# KiCad board cutiepie2040-ortho-hotswap-solder-pcb.kicad_pcb
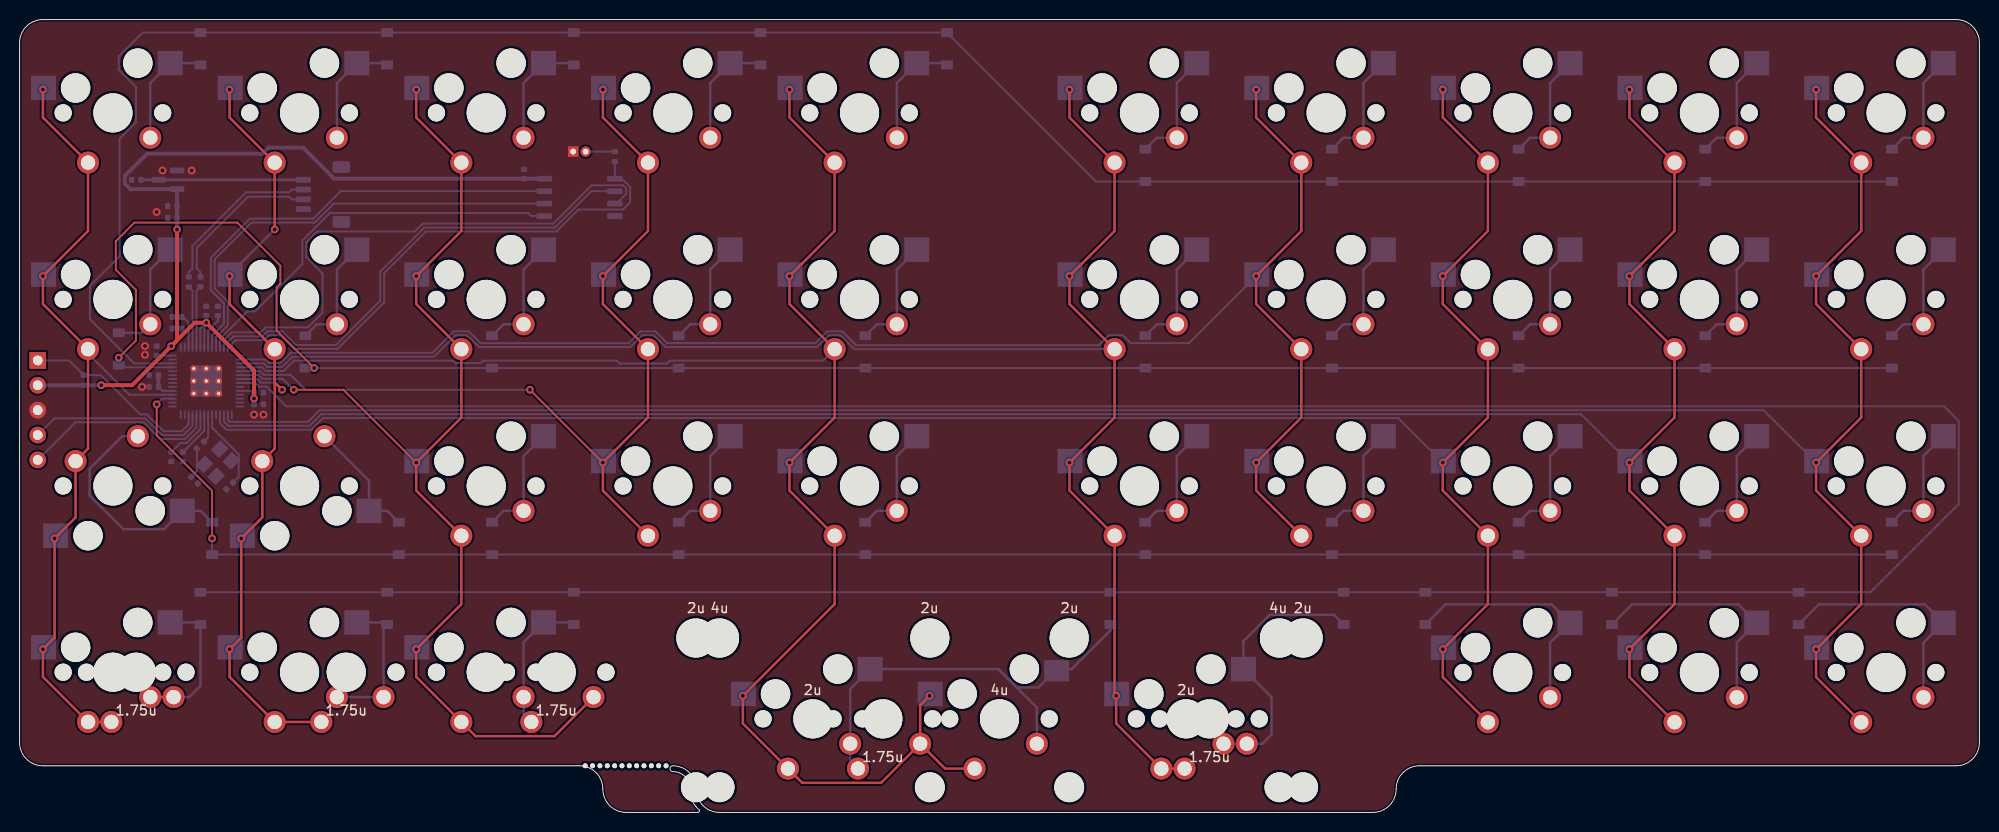
[diagram p0: board, top side]
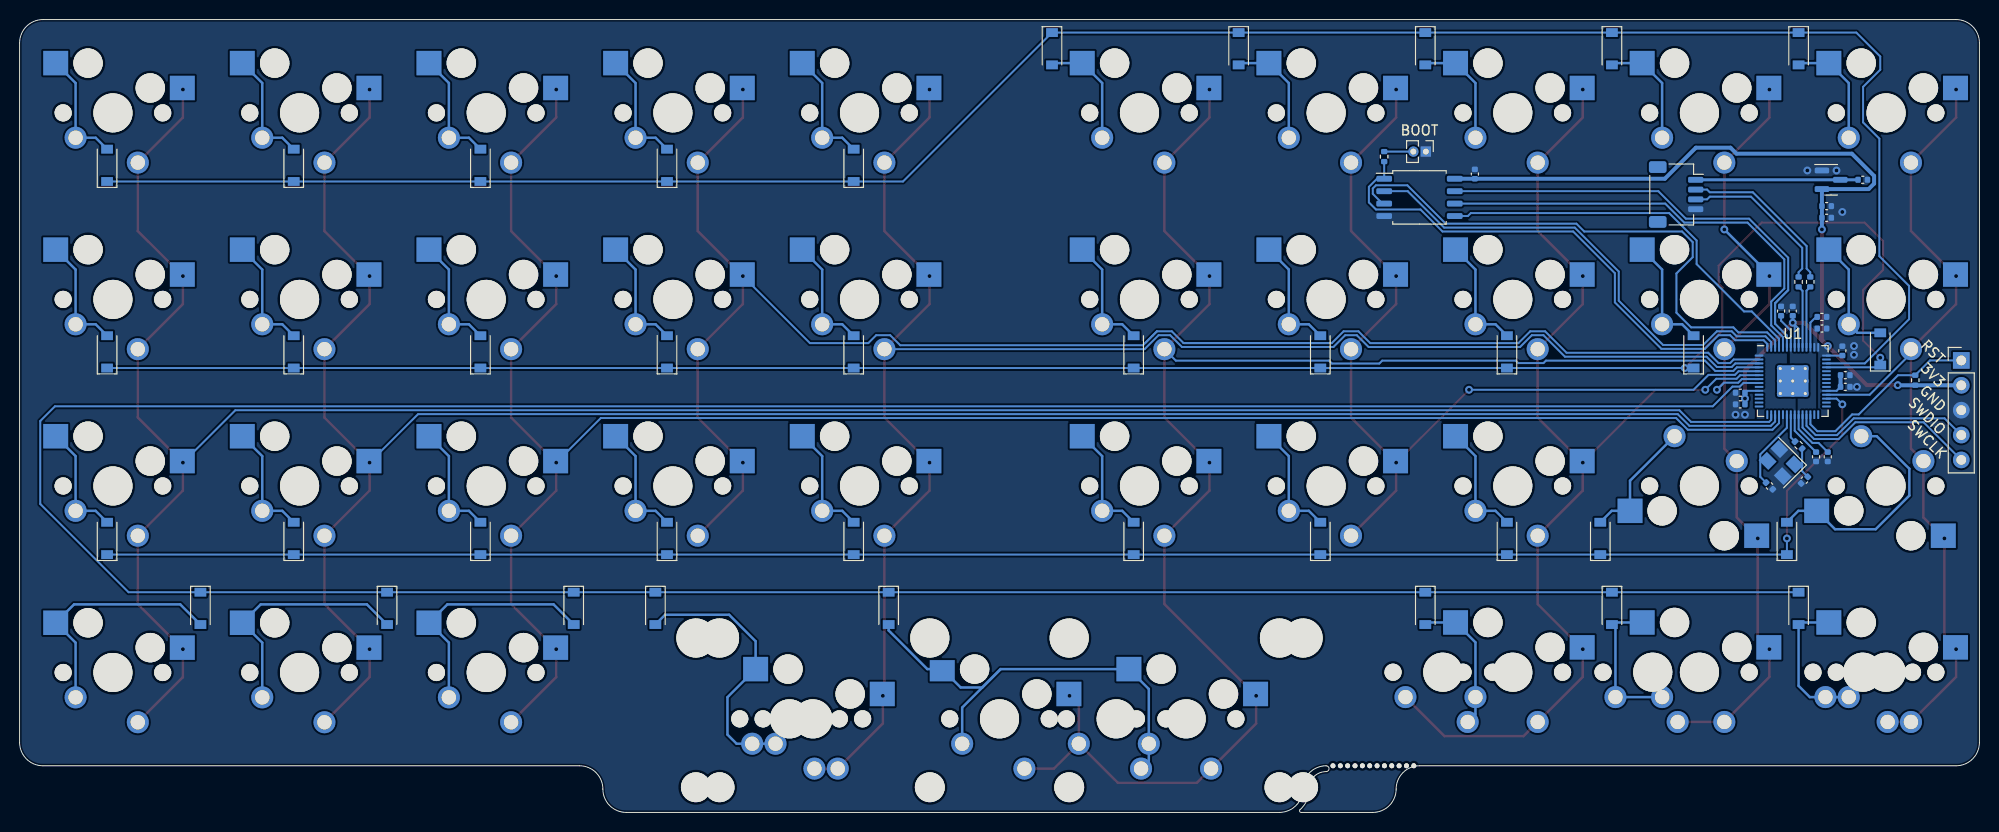
[diagram p1: board, bottom side, seen from below]

Outline 200.03 x 80.96 mm; copper layers: Top, Bottom. Coordinates in mm from the lower left corner of the outline.
Outline path: 57.15,4.76 2.38,4.76 arc(0.7,5.46) 0,7.14 0,78.58 arc(0.7,80.27) 2.38,80.96 197.64,80.96 arc(199.33,80.27) 200.03,78.58 200.03,7.14 arc(199.33,5.46) 197.64,4.76 142.88,4.76 arc(141.19,4.07) 140.49,2.38 arc(139.8,0.7) 138.11,0 71.44,0
Stack: Top 0.035mm / dielectric 1.51mm FR4 er 4.5 / Bottom 0.035mm

## Placement (name value [footprint] x y rotation side)
C_1V-Decoup1  1u  [C_0402_1005Metric]  16.07 50.6 180 bottom
C_1V-Decoup2  .1u  [C_0402_1005Metric]  20.24 51.2 90 bottom
C_1V-Decoup3  .1u  [C_0402_1005Metric]  15.48 36.31 270 bottom
C_3V-Decoup1  10u  [C_0402_1005Metric]  15.59 60.72 180 bottom
C_3V-Decoup2  1u  [C_0402_1005Metric]  16.07 49.41 180 bottom
C_3V-Decoup3  .1u  [C_0402_1005Metric]  13.99 47.13 90 bottom
C_3V-Decoup4  .1u  [C_0402_1005Metric]  13.69 43.46 180 bottom
C_3V-Decoup5  .1u  [C_0402_1005Metric]  13.69 44.65 180 bottom
C_3V-Decoup6  .1u  [C_0402_1005Metric]  24.41 41.67 0 bottom
C_3V-Decoup7  .1u  [C_0402_1005Metric]  19.05 51.2 90 bottom
C_3V-Decoup8  .1u  [C_0402_1005Metric]  16.67 36.31 270 bottom
C_3V-Decoup9  .1u  [C_0402_1005Metric]  24.41 42.86 0 bottom
C_Crystal1  22pF  [C_0402_1005Metric]  21.43 33.34 45 bottom
C_Crystal2  22pF  [C_0402_1005Metric]  17.86 33.93 135 bottom
C_Flash1  .1u  [C_0402_1005Metric]  51.49 65.19 90 bottom
C_LD1  1u  [C_0402_1005Metric]  11.91 64.6 180 bottom
C_LD2  1u  [C_0402_1005Metric]  15.59 61.91 180 bottom
D1  D_Small  [D_SOD-123]  18.45 77.99 270 bottom
D2  D_Small  [D_SOD-123]  10.12 47.33 90 bottom
D3  D_Small  [D_SOD-123]  19.65 27.98 90 bottom
D4  D_Small  [D_SOD-123]  18.45 20.84 270 bottom
D5  D_Small  [D_SOD-123]  37.5 77.99 270 bottom
D6  D_Small  [D_SOD-123]  29.17 47.03 90 bottom
D7  D_Small  [D_SOD-123]  38.7 27.98 90 bottom
D8  D_Small  [D_SOD-123]  37.5 20.84 270 bottom
D9  D_Small  [D_SOD-123]  56.55 77.99 270 bottom
D10  D_Small  [D_SOD-123]  48.22 47.03 90 bottom
D11  D_Small  [D_SOD-123]  48.22 27.98 90 bottom
D12  D_Small  [D_SOD-123]  56.55 20.84 270 bottom
D13  D_Small  [D_SOD-123]  75.6 77.99 270 bottom
D14  D_Small  [D_SOD-123]  67.27 47.03 90 bottom
D15  D_Small  [D_SOD-123]  67.27 27.98 90 bottom
D16  D_Small  [D_SOD-123]  94.65 77.99 270 bottom
D17  D_Small  [D_SOD-123]  86.32 47.03 90 bottom
D18  D_Small  [D_SOD-123]  86.32 27.98 90 bottom
D19  D_Small  [D_SOD-123]  111.32 20.84 270 bottom
D20  D_Small  [D_SOD-123]  114.9 66.08 90 bottom
D21  D_Small  [D_SOD-123]  114.9 47.03 90 bottom
D22  D_Small  [D_SOD-123]  114.9 27.98 90 bottom
D23  D_Small  [D_SOD-123]  135.14 20.84 270 bottom
D24  D_Small  [D_SOD-123]  133.95 66.08 90 bottom
D25  D_Small  [D_SOD-123]  133.95 47.03 90 bottom
D26  D_Small  [D_SOD-123]  133.95 27.98 90 bottom
D27  D_Small  [D_SOD-123]  153 66.08 90 bottom
D28  D_Small  [D_SOD-123]  153 47.03 90 bottom
D29  D_Small  [D_SOD-123]  153 27.98 90 bottom
D30  D_Small  [D_SOD-123]  143.47 20.84 270 bottom
D31  D_Small  [D_SOD-123]  172.05 66.08 90 bottom
D32  D_Small  [D_SOD-123]  172.05 47.03 90 bottom
D33  D_Small  [D_SOD-123]  172.05 27.98 90 bottom
D34  D_Small  [D_SOD-123]  162.52 20.84 270 bottom
D35  D_Small  [D_SOD-123]  191.1 66.08 90 bottom
D36  D_Small  [D_SOD-123]  191.1 47.03 90 bottom
D37  D_Small  [D_SOD-123]  191.1 27.98 90 bottom
D38  D_Small  [D_SOD-123]  181.57 20.84 270 bottom
H1  Cutiepie Tab  [cutiepie-tab]  66.38 4.76 0 top
J1  SM04B  [JST_SH_SM04B-SRSS-TB_1x04-1MP_P1.00mm_Horizontal]  30.96 63.1 270 bottom
J2  SWD  [PinHeader_1x05_P2.54mm_Vertical]  1.85 46.16 180 bottom
MX1  MX-NoLED  [MXOnly-1U-Hotswap-Solder-PadSwapped]  9.53 71.44 180 bottom
MX2  MX-NoLED  [MXOnly-1U-Hotswap-Solder-PadSwapped]  9.53 52.39 180 bottom
MX3  MX-NoLED  [MXOnly-1U-Hotswap-Solder-PadSwapped#2]  9.53 33.34 0 bottom
MX4  MX-NoLED  [MXOnly-1U-Hotswap-Solder-PadSwapped]  9.53 14.32 180 bottom
MX5  MX-NoLED  [MXOnly-1U-Hotswap-Solder-PadSwapped]  28.58 71.44 180 bottom
MX6  MX-NoLED  [MXOnly-1U-Hotswap-Solder-PadSwapped]  28.58 52.39 180 bottom
MX7  MX-NoLED  [MXOnly-1U-Hotswap-Solder-PadSwapped#2]  28.58 33.34 0 bottom
MX8  MX-NoLED  [MXOnly-1U-Hotswap-Solder-PadSwapped]  28.58 14.32 180 bottom
MX9  MX-NoLED  [MXOnly-1U-Hotswap-Solder-PadSwapped]  47.63 71.44 180 bottom
MX10  MX-NoLED  [MXOnly-1U-Hotswap-Solder-PadSwapped]  47.63 52.39 180 bottom
MX11  MX-NoLED  [MXOnly-1U-Hotswap-Solder-PadSwapped]  47.63 33.34 180 bottom
MX12  MX-NoLED  [MXOnly-1U-Hotswap-Solder-PadSwapped]  47.63 14.32 180 bottom
MX13  MX-NoLED  [MXOnly-1U-Hotswap-Solder-PadSwapped]  66.68 71.44 180 bottom
MX14  MX-NoLED  [MXOnly-1U-Hotswap-Solder-PadSwapped]  66.68 52.39 180 bottom
MX15  MX-NoLED  [MXOnly-1U-Hotswap-Solder-PadSwapped]  66.68 33.34 180 bottom
MX16  MX-NoLED  [MXOnly-1U-Hotswap-Solder-PadSwapped]  85.73 71.44 180 bottom
MX17  MX-NoLED  [MXOnly-1U-Hotswap-Solder-PadSwapped]  85.73 52.39 180 bottom
MX18  MX-NoLED  [MXOnly-1U-Hotswap-Solder-PadSwapped]  85.73 33.34 180 bottom
MX19  MX-NoLED  [MXOnly-2U-Hotswap-Solder-ReversedStabilizers-PadSwapped]  80.96 9.55 180 bottom
MX20  MX-NoLED  [MXOnly-1U-Hotswap-Solder-PadSwapped]  114.3 71.44 180 bottom
MX21  MX-NoLED  [MXOnly-1U-Hotswap-Solder-PadSwapped]  114.3 52.39 180 bottom
MX22  MX-NoLED  [MXOnly-1U-Hotswap-Solder-PadSwapped]  114.3 33.34 180 bottom
MX23  MX-NoLED  [MXOnly-2U-Hotswap-Solder-ReversedStabilizers-PadSwapped]  119.06 9.55 180 bottom
MX24  MX-NoLED  [MXOnly-1U-Hotswap-Solder-PadSwapped]  133.35 71.44 180 bottom
MX25  MX-NoLED  [MXOnly-1U-Hotswap-Solder-PadSwapped]  133.35 52.39 180 bottom
MX26  MX-NoLED  [MXOnly-1U-Hotswap-Solder-PadSwapped]  133.35 33.34 180 bottom
MX27  MX-NoLED  [MXOnly-1U-Hotswap-Solder-PadSwapped]  152.4 71.44 180 bottom
MX28  MX-NoLED  [MXOnly-1U-Hotswap-Solder-PadSwapped]  152.4 52.39 180 bottom
MX29  MX-NoLED  [MXOnly-1U-Hotswap-Solder-PadSwapped]  152.4 33.34 180 bottom
MX30  MX-NoLED  [MXOnly-1U-Hotswap-Solder-PadSwapped]  152.4 14.29 180 bottom
MX31  MX-NoLED  [MXOnly-1U-Hotswap-Solder-PadSwapped]  171.45 71.44 180 bottom
MX32  MX-NoLED  [MXOnly-1U-Hotswap-Solder-PadSwapped]  171.45 52.39 180 bottom
MX33  MX-NoLED  [MXOnly-1U-Hotswap-Solder-PadSwapped]  171.45 33.34 180 bottom
MX34  MX-NoLED  [MXOnly-1U-Hotswap-Solder-PadSwapped]  171.45 14.29 180 bottom
MX35  MX-NoLED  [MXOnly-1U-Hotswap-Solder-PadSwapped]  190.5 71.44 180 bottom
MX36  MX-NoLED  [MXOnly-1U-Hotswap-Solder-PadSwapped]  190.5 52.39 180 bottom
MX37  MX-NoLED  [MXOnly-1U-Hotswap-Solder-PadSwapped]  190.5 33.34 180 bottom
MX38  MX-NoLED  [MXOnly-1U-Hotswap-Solder-PadSwapped]  190.5 14.29 180 bottom
MX39  MX-NoLED  [MXOnly-1.25U-NoLED#2]  11.91 14.32 180 top
MX40  MX-NoLED  [MXOnly-1U-NoLED]  33.34 14.32 180 top
MX41  MX-NoLED  [MXOnly-1.25U-NoLED]  54.77 14.32 180 top
MX43  MX-NoLED  [MXOnly-1.75U-NoLED]  88.11 9.55 180 top
MX44  MX-NoLED  [MXOnly-4U-Hotswap-Solder-ReversedStabilizers-PadSwapped]  100.01 9.55 180 bottom
MX46  MX-NoLED  [MXOnly-1.75U-NoLED#2]  121.44 9.55 180 top
R_Crystal1  1k  [R_0402_1005Metric]  18.45 37.5 45 bottom
R_DATA1  27  [R_0402_1005Metric]  18.45 54.17 270 bottom
R_DATA2  27  [R_0402_1005Metric]  17.26 54.17 270 bottom
R_Flash1  1k  [R_0402_1005Metric]  60.75 66.97 270 bottom
R_RST1  1k  [R_0402_1005Metric]  6.55 44.14 90 bottom
SW1  Reset  [PinHeader_1x02_P1.27mm_Vertical]  56.5 67.48 270 bottom
U1  RP2040  [RP2040-QFN-56]  19.05 44.05 180 bottom
U2  W25Q128JVS  [SOIC-8_5.23x5.23mm_P1.27mm]  57.15 62.81 180 bottom
U3  XC6206PxxxMR  [SOT-23]  15.14 64.6 180 bottom
Y1  12MHz  [Crystal_SMD_3225-4Pin_3.2x2.5mm]  20.24 35.72 45 bottom

## Library data of the parts
C_1V-Decoup1-C_1V-Decoup3 C_3V-Decoup1-C_3V-Decoup9 C_Crystal1 C_Crystal2 C_Flash1 C_LD1 C_LD2 = -: Description: Unpolarized capacitor, small symbol
D1-D38 = -: Description: Diode, small symbol
H1 = -: Description: Mounting Hole without connection
J1 = -: Description: Generic connector, single row, 01x04, script generated (kicad-library-utils/schlib/autogen/connector/)
J2 = -: Description: Generic connector, single row, 01x05, script generated (kicad-library-utils/schlib/autogen/connector/)
R_Crystal1 R_DATA1 R_DATA2 R_Flash1 R_RST1 = -: Description: Resistor, small symbol
SW1 = -: Description: Push button switch, generic, two pins
U1 = -: Description: A microcontroller by Raspberry Pi
U2 = -: Description: 128Mb Serial Flash Memory, Standard/Dual/Quad SPI, SOIC-8
U3 = -: Description: Positive 60-250mA Low Dropout Regulator, Fixed Output, SOT-23
Y1 = -: Description: Four pin crystal, GND on pins 2 and 4, small symbol

## Footprints (pads in the part's own frame, mm; a bottom-side part is the same pattern mirrored in y, then rotated)
C_0402_1005Metric
  rrect 0.56x0.62 smd: 1(-0.48,0) 2(0.48,0)
Crystal_SMD_3225-4Pin_3.2x2.5mm
  rect 1.4x1.2 smd: 1(-1.1,-0.85) 2(1.1,-0.85) 3(1.1,0.85) 4(-1.1,0.85)
cutiepie-tab
  round 0.5 hole 0.5 unplated: (-8.65,0) (-7.9,0) (-7.15,0) (-6.4,0) (-5.65,0) (-4.9,0) (-4.15,0) (-3.4,0) (-2.65,0) (-1.9,0) (-1.15,0) (-0.4,0)
D_SOD-123
  rect 0.9x1.2 smd: 1(-1.65,0) 2(1.65,0)
JST_SH_SM04B-SRSS-TB_1x04-1MP_P1.00mm_Horizontal
  rrect 0.6x1.55 smd: 1(-1.5,2) 2(-0.5,2) 3(0.5,2) 4(1.5,2)
  rrect 1.2x1.8 smd: MP(-2.8,-1.875) MP(2.8,-1.875)
MXOnly-1.25U-NoLED
  round 1.75 hole 1.75 unplated: (-5.08,0) (5.08,0)
  round 3.988 hole 3.988 unplated: (0,0)
  round 2.25 hole 1.47: 1(-3.81,2.54) 2(2.54,5.08)
MXOnly-1.25U-NoLED#2
  round 1.75 hole 1.75 unplated: (-5.08,0) (5.08,0)
  round 3.988 hole 3.988 unplated: (0,0)
  round 2.25 hole 1.47: 1(2.54,5.08) 2(-3.81,2.54)
MXOnly-1.75U-NoLED
  round 1.75 hole 1.75 unplated: (-5.08,0) (5.08,0)
  round 3.988 hole 3.988 unplated: (0,0)
  round 2.25 hole 1.47: 1(-3.81,2.54) 2(2.54,5.08)
MXOnly-1.75U-NoLED#2
  round 1.75 hole 1.75 unplated: (-5.08,0) (5.08,0)
  round 3.988 hole 3.988 unplated: (0,0)
  round 2.25 hole 1.47: 1(2.54,5.08) 2(-3.81,2.54)
MXOnly-1U-Hotswap-Solder-PadSwapped
  round 1.75 hole 1.75 unplated: (-5.08,0) (5.08,0)
  round 3 hole 3 unplated: (-2.54,5.08) (3.81,2.54)
  round 3.988 hole 3.988 unplated: (0,0)
  round 2.25 hole 1.47: 1(2.54,-5.08) 2(-3.81,-2.54)
  rect 2.55x2.5 smd: 1(7.085,2.54) 2(-5.842,5.08)
MXOnly-1U-Hotswap-Solder-PadSwapped#2
  round 1.75 hole 1.75 unplated: (-5.08,0) (5.08,0)
  round 3 hole 3 unplated: (-2.54,5.08) (3.81,2.54)
  round 3.988 hole 3.988 unplated: (0,0)
  rect 2.55x2.5 smd: 1(-5.842,5.08) 2(7.085,2.54)
  round 2.25 hole 1.47: 1(-3.81,-2.54) 2(2.54,-5.08)
MXOnly-1U-NoLED
  round 1.75 hole 1.75 unplated: (-5.08,0) (5.08,0)
  round 3.988 hole 3.988 unplated: (0,0)
  round 2.25 hole 1.47: 1(2.54,5.08) 2(-3.81,2.54)
MXOnly-2U-Hotswap-Solder-ReversedStabilizers-PadSwapped
  round 3.048 hole 3.048 unplated: (-11.938,-6.985) (11.938,-6.985)
  round 3.988 hole 3.988 unplated: (-11.938,8.255) (0,0) (11.938,8.255)
  round 1.75 hole 1.75 unplated: (-5.08,0) (5.08,0)
  round 3 hole 3 unplated: (-2.54,5.08) (3.81,2.54)
  round 2.25 hole 1.47: 1(2.54,-5.08) 2(-3.81,-2.54)
  rect 2.55x2.5 smd: 1(7.085,2.54) 2(-5.842,5.08)
MXOnly-4U-Hotswap-Solder-ReversedStabilizers-PadSwapped
  round 3.048 hole 3.048 unplated: (-28.575,-6.985) (28.575,-6.985)
  round 3.988 hole 3.988 unplated: (-28.575,8.255) (0,0) (28.575,8.255)
  round 1.75 hole 1.75 unplated: (-5.08,0) (5.08,0)
  round 3 hole 3 unplated: (-2.54,5.08) (3.81,2.54)
  round 2.25 hole 1.47: 1(2.54,-5.08) 2(-3.81,-2.54)
  rect 2.55x2.5 smd: 1(7.085,2.54)
  rect 2.55x2.17 smd: 2(-5.842,4.915)
PinHeader_1x02_P1.27mm_Vertical
  rect 1.05x1.05 hole 0.6: 1(0,0)
  round 1.05 hole 0.6: 2(0,-1.27)
PinHeader_1x05_P2.54mm_Vertical
  rect 1.7x1.7 hole 1: 1(0,0)
  oval 1.7x1.7 hole 1: 2(0,-2.54) 3(0,-5.08) 4(0,-7.62) 5(0,-10.16)
R_0402_1005Metric
  rrect 0.54x0.64 smd: 1(-0.51,0) 2(0.51,0)
RP2040-QFN-56
  rrect 1.084x1.084 smd: (-0.637,-0.637) (-0.637,0.637) (0.637,-0.637) (0.637,0.637)
  rrect 0.875x0.2 smd: 1(-3.438,2.6) 2(-3.438,2.2) 3(-3.438,1.8) 4(-3.438,1.4) 5(-3.438,1) 6(-3.438,0.6) 7(-3.438,0.2) 8(-3.438,-0.2) 9(-3.438,-0.6) 10(-3.438,-1) 11(-3.438,-1.4) 12(-3.438,-1.8) 13(-3.438,-2.2) 14(-3.438,-2.6) 29(3.438,-2.6) 30(3.438,-2.2) 31(3.438,-1.8) 32(3.438,-1.4) 33(3.438,-1) 34(3.438,-0.6) 35(3.438,-0.2) 36(3.438,0.2) 37(3.438,0.6) 38(3.438,1) 39(3.438,1.4) 40(3.438,1.8) 41(3.438,2.2) 42(3.438,2.6)
  rrect 0.2x0.875 smd: 15(-2.6,-3.438) 16(-2.2,-3.438) 17(-1.8,-3.438) 18(-1.4,-3.438) 19(-1,-3.438) 20(-0.6,-3.438) 21(-0.2,-3.438) 22(0.2,-3.438) 23(0.6,-3.438) 24(1,-3.438) 25(1.4,-3.438) 26(1.8,-3.438) 27(2.2,-3.438) 28(2.6,-3.438) 43(2.6,3.438) 44(2.2,3.438) 45(1.8,3.438) 46(1.4,3.438) 47(1,3.438) 48(0.6,3.438) 49(0.2,3.438) 50(-0.2,3.438) 51(-0.6,3.438) 52(-1,3.438) 53(-1.4,3.438) 54(-1.8,3.438) 55(-2.2,3.438) 56(-2.6,3.438)
  round 0.7 hole 0.3: 57(-1.275,-1.275) 57(-1.275,0) 57(-1.275,1.275) 57(0,-1.275) 57(0,0) 57(0,1.275) 57(1.275,-1.275) 57(1.275,0) 57(1.275,1.275)
  rrect 3.2x3.2 smd: 57(0,0)
SOIC-8_5.23x5.23mm_P1.27mm
  rrect 1.6x0.6 smd: 1(-3.6,1.905) 2(-3.6,0.635) 3(-3.6,-0.635) 4(-3.6,-1.905) 5(3.6,-1.905) 6(3.6,-0.635) 7(3.6,0.635) 8(3.6,1.905)
SOT-23
  rrect 1.475x0.6 smd: 1(-0.938,0.95) 2(-0.938,-0.95) 3(0.938,0)

## Nets
+1V1: C_1V-Decoup1.1 C_1V-Decoup2.1 C_1V-Decoup3.1 U1.23 U1.45 U1.50
+3V3: C_3V-Decoup1.1 C_3V-Decoup2.1 C_3V-Decoup3.1 C_3V-Decoup4.1 C_3V-Decoup5.1 C_3V-Decoup6.1 C_3V-Decoup7.1 C_3V-Decoup8.1 C_3V-Decoup9.1 C_Flash1.1 C_LD2.1 J2.2 R_RST1.1 U1.1 U1.10 U1.22 U1.33 U1.42 U1.43 U1.44 U1.48 U1.49 U2.8 U3.2
+5V: C_LD1.1 J1.1 U3.3
GND: C_1V-Decoup1.2 C_1V-Decoup2.2 C_1V-Decoup3.2 C_3V-Decoup1.2 C_3V-Decoup2.2 C_3V-Decoup3.2 C_3V-Decoup4.2 C_3V-Decoup5.2 C_3V-Decoup6.2 C_3V-Decoup7.2 C_3V-Decoup8.2 C_3V-Decoup9.2 C_Crystal1.1 C_Crystal2.1 C_Flash1.2 C_LD1.2 C_LD2.2 J1.4 J2.3 SW1.1 U1.19 U1.57 U2.4 U3.1 Y1.2 Y1.4
col0: MX1.1 MX2.1 MX3.1 MX4.1 MX39.1 U1.32
col1: MX5.1 MX6.1 MX7.1 MX8.1 MX40.1 U1.7
col2: MX9.1 MX10.1 MX11.1 MX12.1 MX41.1 U1.6
col3: MX13.1 MX14.1 MX15.1 U1.5
col4: MX16.1 MX17.1 MX18.1 MX19.1 MX43.1 MX44.1 U1.4
col5: MX20.1 MX21.1 MX22.1 MX23.1 MX46.1 U1.3
col6: MX24.1 MX25.1 MX26.1 U1.2
col7: MX27.1 MX28.1 MX29.1 MX30.1 U1.18
col8: MX31.1 MX32.1 MX33.1 MX34.1 U1.17
col9: MX35.1 MX36.1 MX37.1 MX38.1 U1.16
CS: R_Flash1.2 U1.56 U2.1
D+: J1.3 R_DATA1.1
D-: J1.2 R_DATA2.1
QSPI_CLK: U1.52 U2.6
RESET: J2.1 R_RST1.2 U1.26
row0: D1.1 D5.1 D9.1 D13.1 D16.1 D20.1 D24.1 D27.1 D31.1 D35.1 U1.40
row1: D2.1 D6.1 D10.1 D14.1 D17.1 D21.1 D25.1 D28.1 D32.1 D36.1 U1.39
row2: D3.1 D7.1 D11.1 D15.1 D18.1 D22.1 D26.1 D29.1 D33.1 D37.1 U1.31
row3: D4.1 D8.1 D12.1 D19.1 D23.1 D30.1 D34.1 D38.1 U1.8
SD0: U1.53 U2.5
SD1: U1.55 U2.2
SD2: U1.54 U2.3
SD3: U1.51 U2.7
SWCLK: J2.5 U1.24
SWDIO: J2.4 U1.25
XTAL_IN: C_Crystal1.2 U1.20 Y1.3
XTAL_OUT: R_Crystal1.2 U1.21
Net-(C_Crystal2-Pad2): C_Crystal2.2 R_Crystal1.1 Y1.1
Net-(D1-A): D1.2 MX1.2
Net-(D2-A): D2.2 MX2.2
Net-(D3-A): D3.2 MX3.2
Net-(D4-A): D4.2 MX4.2 MX39.2
Net-(D5-A): D5.2 MX5.2
Net-(D6-A): D6.2 MX6.2
Net-(D7-A): D7.2 MX7.2
Net-(D8-A): D8.2 MX8.2 MX40.2
Net-(D9-A): D9.2 MX9.2
Net-(D10-A): D10.2 MX10.2
Net-(D11-A): D11.2 MX11.2
Net-(D12-A): D12.2 MX12.2 MX41.2
Net-(D13-A): D13.2 MX13.2
Net-(D14-A): D14.2 MX14.2
Net-(D15-A): D15.2 MX15.2
Net-(D16-A): D16.2 MX16.2
Net-(D17-A): D17.2 MX17.2
Net-(D18-A): D18.2 MX18.2
Net-(D19-A): D19.2 MX19.2 MX43.2 MX44.2
Net-(D20-A): D20.2 MX20.2
Net-(D21-A): D21.2 MX21.2
Net-(D22-A): D22.2 MX22.2
Net-(D23-A): D23.2 MX23.2 MX46.2
Net-(D24-A): D24.2 MX24.2
Net-(D25-A): D25.2 MX25.2
Net-(D26-A): D26.2 MX26.2
Net-(D27-A): D27.2 MX27.2
Net-(D28-A): D28.2 MX28.2
Net-(D29-A): D29.2 MX29.2
Net-(D30-A): D30.2 MX30.2
Net-(D31-A): D31.2 MX31.2
Net-(D32-A): D32.2 MX32.2
Net-(D33-A): D33.2 MX33.2
Net-(D34-A): D34.2 MX34.2
Net-(D35-A): D35.2 MX35.2
Net-(D36-A): D36.2 MX36.2
Net-(D37-A): D37.2 MX37.2
Net-(D38-A): D38.2 MX38.2
Net-(R_Flash1-Pad1): R_Flash1.1 SW1.2
Net-(U1-USB_DM): R_DATA2.2 U1.46
Net-(U1-USB_DP): R_DATA1.2 U1.47

Pads without a net: J1 MP; U1 9 11 12 13 14 15 27 28 29 30 34 35 36 37 38 41

## Via types
v1: diameter 0.8, hole 0.4, Top to Bottom, 60 vias

## Routing (per net, layer and track width the routed paths; a pad name or vN(x,y) marks a point on that pad's centre or on a via; arc(x,y) is an arc through that point)
+1V1: length 12.4
  Bottom w0.2: 16.67,50.6 17.25,50.02 U1.45 ; U1.23 18.45,39.14 17.04,37.73 16.41,37.73 C_1V-Decoup3.1 ; C_1V-Decoup2.1 20.24,50.21 19.25,49.22 U1.50
+3V3: length 115.5
  Top w0.4: v1(15.48,47.63) 16.07,48.22 v1(16.07,59.53) ; v1(15.48,47.63) 11.48,43.63 v1(8.33,43.63) ; v1(15.48,47.63) 17.86,50.01 v1(19.05,50.01) 23.93,45.13 v1(23.93,42.27)
  Bottom w0.2: U1.49 18.85,49.81 v1(19.05,50.01) ; U1.48 18.45,49.41 v1(19.05,50.01) ; C_3V-Decoup8.1 18.85,38.98 U1.22 ; v1(19.05,50.01) C_3V-Decoup7.1 ; C_3V-Decoup9.1 23.74,43.05 U1.10 ; C_3V-Decoup4.1 14.58,43.05 U1.33 ; U1.42 C_3V-Decoup3.1
  Bottom w0.4: v1(16.07,59.53) U3.2 11.3,63.65 10.75,64.21 10.75,65 13.02,67.27 24.79,67.27 25.4,67.88 28.93,67.88 32.1,64.71 U2.8 ; J2.2 8.32,43.62 v1(8.33,43.63) ; C_3V-Decoup5.1 C_3V-Decoup4.1 ; C_3V-Decoup9.1 C_3V-Decoup6.1
+5V: length 16.6
  Bottom w0.3: C_LD1.1 U3.3 J1.1
GND:
  vias: v1(12.5,43.46) v1(12.8,47.63) v1(12.8,46.73) v1(13.99,61.32) v1(14.59,65.55) v1(17.56,65.55) v1(23.93,40.62) v1(24.89,40.62)
col0: length 86.9
  Top w0.25: MX39.1 MX4.1 2.38,13.84 v1(2.38,16.67) 3.57,17.86 v1(3.57,27.98) 5.72,30.12 MX3.1 6.99,37.15 MX2.1 2.38,51.91 v1(2.38,54.77) 6.99,59.37 MX1.1 2.38,70.96 v1(2.38,73.82)
  Bottom w0.2: U1.32 11.2,42.65 6.99,46.87
col1: length 87.9
  Top w0.25: MX6.1 26.04,43.91 v1(26.79,43.16) ; MX6.1 26.04,37.15 MX7.1 24.77,30.12 v1(22.62,27.98) 22.62,17.86 v1(21.43,16.67) 21.43,13.84 MX8.1 MX40.1 ; MX6.1 21.43,51.91 v1(21.43,54.77) ; v1(26.04,59.53) MX5.1 21.43,70.96 v1(21.43,73.82)
  Bottom w0.2: v1(26.79,43.16) 26.07,43.88 24.62,43.88 24.25,44.25 U1.7
  Bottom w0.25: v1(26.04,59.53) 21.43,54.93
col2: length 115.4
  Top w0.2: v1(40.48,35.72) 33.04,43.16 v1(27.98,43.16)
  Top w0.25: MX41.1 54.59,7.79 46.54,7.79 MX12.1 40.48,13.84 v1(40.48,16.67) 45.09,21.27 MX11.1 40.48,32.86 v1(40.48,35.72) 45.09,40.32 MX10.1 40.48,51.91 v1(40.48,54.77) 45.09,59.37 MX9.1 40.48,70.96 v1(40.48,73.82)
  Bottom w0.2: v1(27.98,43.16) 26.86,44.28 24.78,44.28 24.41,44.65 U1.6
col3: length 96
  Top w0.2: v1(59.53,35.72) v1(52.09,43.16)
  Top w0.25: MX15.1 59.53,32.86 v1(59.53,35.72) 64.14,40.32 MX14.1 59.53,51.91 v1(59.53,54.77) 64.14,59.37 MX13.1 59.53,70.96 v1(59.53,73.82)
  Bottom w0.2: U1.5 24.58,45.05 24.95,44.68 27.65,44.68 29.17,43.16 v1(52.09,43.16)
col4: length 174.5
  Top w0.25: v1(92.87,11.91) 91.92,10.95 MX43.1 ; MX43.1 87.93,3.02 79.87,3.02 MX19.1 73.82,9.08 v1(73.82,11.91) 83.19,21.27 MX18.1 78.58,32.86 v1(78.58,35.72) 83.19,40.32 MX17.1 78.58,51.91 v1(78.58,54.77) 83.19,59.37 MX16.1 78.58,70.96 v1(78.58,73.82) ; MX43.1 94.46,4.47 MX44.1
  Bottom w0.2: MX17.1 82.01,46.14 66.38,46.14 66.08,45.84 61.25,45.84 60.95,46.14 47.33,46.14 47.07,45.88 44.49,45.88 44.24,46.14 28.01,46.14 26.96,45.08 25.11,45.08 24.74,45.45 U1.4
col5: length 176.6
  Top w0.25: MX46.1 MX23.1 111.92,9.08 v1(111.92,11.91) 111.76,12.07 MX22.1 107.16,32.86 v1(107.16,35.72) 111.76,40.32 MX21.1 107.16,51.91 v1(107.16,54.77) 111.76,59.37 MX20.1 107.16,70.96 v1(107.16,73.82)
  Bottom w0.2: MX21.1 85.2,47.31 83.78,48.73 82.59,48.73 81.39,47.53 65.93,47.53 64.73,48.73 63.54,48.73 62.33,47.52 46.89,47.52 45.68,48.73 44.49,48.73 42.3,46.54 27.85,46.54 26.79,45.48 25.28,45.48 24.91,45.85 U1.3
col6: length 183.3
  Top w0.25: v1(126.21,73.82) 126.21,70.96 MX24.1 130.81,59.37 v1(126.21,54.77) 126.21,51.91 MX25.1 130.81,40.32 v1(126.21,35.72) 126.21,32.86 MX26.1
  Bottom w0.2: 66.09,47.93 81.23,47.93 ; 66.09,47.93 81.23,47.93 ; 66.09,47.93 64.89,49.13 63.38,49.13 62.17,47.92 47.05,47.92 45.84,49.13 44.33,49.13 42.13,46.94 27.69,46.94 27.68,46.94 26.63,45.88 25.44,45.88 25.07,46.25 U1.2 ; 83.94,49.13 85.37,47.71 110.14,47.71 111.17,48.73 112.6,48.73 113.41,47.92 119.36,47.92 v1(126.21,54.77) ; 83.94,49.13 85.14,47.93 ; 83.94,49.13 82.43,49.13 81.23,47.93
col7: length 206.3
  Top w0.25: v1(145.26,73.82) 145.26,70.96 MX27.1 149.86,59.37 v1(145.26,54.77) 145.26,51.91 MX28.1 149.86,40.32 v1(145.26,35.72) 145.26,32.86 MX29.1 149.86,21.27 v1(145.26,16.67) 145.26,13.81 MX30.1
  Bottom w0.2: v1(145.26,35.72) 140.7,40.27 30.95,40.27 29.76,39.08 21.12,39.08 20.45,39.75 U1.18
col8: length 224.8
  Top w0.25: v1(164.31,73.82) 164.31,70.96 MX31.1 168.91,59.37 v1(164.31,54.77) 164.31,51.91 MX32.1 168.91,40.32 v1(164.31,35.72) 164.31,32.86 MX33.1 168.91,21.27 v1(164.31,16.67) 164.31,13.81 MX34.1
  Bottom w0.2: U1.17 20.85,39.92 21.29,39.48 29.59,39.48 30.79,40.67 159.35,40.67 v1(164.31,35.72)
col9: length 243.4
  Top w0.25: v1(183.36,73.82) 183.36,70.96 MX35.1 187.96,59.37 v1(183.36,54.77) 183.36,51.91 MX36.1 187.96,40.32 v1(183.36,35.72) 183.36,32.86 MX37.1 187.96,21.27 v1(183.36,16.67) 183.36,13.81 MX38.1
  Bottom w0.2: U1.16 21.25,40.08 21.46,39.88 29.43,39.88 30.62,41.07 178,41.07 v1(183.36,35.72)
CS: length 55.1
  Bottom w0.2: R_Flash1.2 U2.1 61.48,64.71 62.31,63.88 62.31,62.3 61.59,61.57 57.05,61.57 54.8,59.32 41.46,59.32 37.21,55.07 37.21,52.09 32.46,47.34 28.02,47.34 26.63,48.73 25.44,48.73 24.93,48.22 22.03,48.22 21.65,47.84 U1.56
D+: length 16.3
  Bottom w0.2: R_DATA1.1 18.45,55.16 18.08,55.53 18.08,57.65 23.31,62.88 27.52,62.88 27.79,62.6 J1.3
D-: length 17
  Bottom w0.2: J1.2 27.79,63.6 27.52,63.33 23.12,63.33 17.63,57.84 17.63,55.53 17.26,55.16 R_DATA2.1
QSPI_CLK: length 46
  Bottom w0.2: U1.52 20.05,48.54 21.25,49.74 21.25,52.16 19.92,53.5 19.92,56.48 23.67,60.23 30.13,60.23 32.06,62.17 U2.6
RESET: length 19.7
  Bottom w0.2: J2.1 5.04,46.16 R_RST1.2 8.3,44.65 12.31,40.64 12.99,40.64 14.7,38.93 16.54,38.93 17.25,39.64 U1.26
row0: length 228.1
  Bottom w0.2: D35.1 D20.1 109.86,64.43 D16.1 D1.1 12.56,79.64 10.12,77.2 10.12,75.84 11.87,74.09 11.87,70.47 10.21,68.8 10.21,56.8 7.18,53.77 7.18,50.37 11.69,45.85 U1.40
row1: length 212.9
  Top w0.2: v1(30.06,45.38) 26.23,49.22 26.23,53.61 26.62,54 26.62,55.83 22.22,60.23 11.71,60.23 9.82,58.34 9.82,55.41 11.87,53.36 11.87,48.19 v1(10.12,46.43)
  Bottom w0.2: 29.31,45.38 D36.1 ; v1(10.12,46.43) D2.1 ; 10.34,45.45 U1.39
row2: length 191
  Top w0.2: v1(13.99,41.67) 13.99,38.51 19.65,32.85 v1(19.65,27.98)
  Bottom w0.2: v1(19.65,27.98) D3.1 D37.1 ; v1(13.99,41.67) 14.57,42.25 U1.31
row3: length 368.7
  Bottom w0.2: D4.1 D38.1 188.9,22.49 197.92,31.5 197.92,39.97 196.41,41.47 27.21,41.47 25.2,43.48 24.45,43.48 24.08,43.85 U1.8
SD0: length 40.8
  Bottom w0.2: U2.5 52.21,60.9 51.91,61.2 31.66,61.2 28.86,58.4 28.86,55.99 24.03,51.16 23.24,51.16 20.45,48.37 U1.53
SD1: length 49.3
  Bottom w0.2: U1.55 21.25,48.04 21.83,48.62 24.77,48.62 25.28,49.13 26.79,49.13 28.19,47.74 32.29,47.74 36.81,52.25 36.81,55.23 41.3,59.72 54.63,59.72 58.35,63.44 U2.2
SD2: length 57
  Bottom w0.2: U1.54 20.85,48.2 21.67,49.02 24.6,49.02 25.11,49.53 29.42,49.53 30.92,51.03 30.92,55.04 29.26,56.7 29.26,58.24 30.35,59.32 40.33,59.32 41.13,60.12 54.47,60.12 58.39,64.04 61.59,64.04 61.91,63.71 61.91,63.17 60.92,62.17
SD3: length 51
  Bottom w0.2: 20.85,49.9 19.65,48.7 U1.51 ; 20.85,49.9 20.85,52 ; 20.85,49.9 20.85,52 ; 20.85,52 19.52,53.33 ; 20.85,52 19.52,53.33 ; 19.52,53.33 19.52,56.64 23.5,60.63 29.96,60.63 32.77,63.44 U2.7
SWCLK: length 20.3
  Bottom w0.2: J2.5 5.7,39.84 12.66,39.84 14.37,38.13 16.87,38.13 18.05,39.31 U1.24
SWDIO: length 18.7
  Bottom w0.2: J2.4 3.56,40.24 12.82,40.24 14.53,38.53 16.71,38.53 17.65,39.47 U1.25
XTAL_IN: length 8.3
  Bottom w0.2: U1.20 19.65,39.28 22.37,36.56 22.37,34.27 C_Crystal1.2
XTAL_OUT: length 2.9
  Bottom w0.2: R_Crystal1.2 19.25,38.3 U1.21
Net-(C_Crystal2-Pad2): length 3.1
  Bottom w0.2: R_Crystal1.1 18.09,34.85 C_Crystal2.2
Net-(D1-A): length 11.4
  Bottom w0.25: 18.27,76.52 MX1.2 13.34,74.49 MX1.2
Net-(D2-A): length 12
  Bottom w0.25: MX2.2 13.34,55.44 MX2.2 12.46,48.98 D2.2
Net-(D3-A): length 24.2
  Bottom w0.25: MX3.2 10.47,38.42 7.15,35.1 7.15,32.35 10.59,28.92 14.73,28.92 MX3.2 18.48,30.8 D3.2
Net-(D4-A): length 17.1
  Top w0.25: MX4.2 MX39.2
  Bottom w0.25: MX4.2 17.31,11.78 18.45,12.92 D4.2 ; MX4.2 18.24,19.4
Net-(D5-A): length 11.4
  Bottom w0.25: MX5.2 32.39,74.49 MX5.2 37.32,76.52
Net-(D6-A): length 12.2
  Bottom w0.25: MX6.2 32.39,55.44 MX6.2 30.34,49.85 D6.2
Net-(D7-A): length 13
  Bottom w0.25: MX7.2 35.66,33.87 MX7.2 37.53,30.8 D7.2
Net-(D8-A): length 15.2
  Bottom w0.25: MX8.2 37.29,19.4 ; MX8.2 MX40.2 37.15,18.83 D8.2
Net-(D9-A): length 11.4
  Bottom w0.25: MX9.2 51.44,74.49 MX9.2 56.37,76.52
Net-(D10-A): length 12.2
  Bottom w0.25: D10.2 49.39,49.85 MX10.2 51.44,55.44 MX10.2
Net-(D11-A): length 12.2
  Bottom w0.25: MX11.2 51.44,36.39 MX11.2 49.39,30.8 D11.2
Net-(D12-A): length 14.2
  Bottom w0.25: MX41.2 51.44,10.03 MX12.2 51.44,17.37 MX12.2 56.34,19.4
Net-(D13-A): length 11.4
  Bottom w0.25: 75.42,76.52 MX13.2 70.49,74.49 MX13.2
Net-(D14-A): length 12.2
  Bottom w0.25: MX14.2 70.49,55.44 MX14.2 68.44,49.85 D14.2
Net-(D15-A): length 12.2
  Bottom w0.25: MX15.2 70.49,36.39 MX15.2 68.44,30.8 D15.2
Net-(D16-A): length 11.4
  Bottom w0.25: MX16.2 89.54,74.49 MX16.2 94.47,76.52
Net-(D17-A): length 12.2
  Bottom w0.25: D17.2 87.49,49.85 MX17.2 89.54,55.44 MX17.2
Net-(D18-A): length 12.2
  Bottom w0.25: MX18.2 89.54,36.39 MX18.2 87.49,30.8 D18.2
Net-(D19-A): length 48.9
  Bottom w0.25: D19.2 111.32,18.58 107.38,14.63 105.85,14.63 103.98,12.76 101.77,12.76 99.9,14.63 ; 99.9,14.63 103.82,10.71 MX44.2 ; 99.9,14.63 MX19.2 84.77,12.6 MX19.2 84.77,5.27 MX43.2
Net-(D20-A): length 12.2
  Bottom w0.25: MX20.2 118.11,74.49 MX20.2 116.06,68.9 D20.2
Net-(D21-A): length 12.2
  Bottom w0.25: D21.2 116.06,49.85 MX21.2 118.11,55.44 MX21.2
Net-(D22-A): length 12.2
  Bottom w0.25: D22.2 116.06,30.8 MX22.2 118.11,36.39 MX22.2
Net-(D23-A): length 27.8
  Bottom w0.25: MX23.2 MX46.2 126.84,7.01 127.78,7.95 127.78,11.76 MX23.2 124.9,17.48 127.6,20.18 134.14,20.18 D23.2
Net-(D24-A): length 12.2
  Bottom w0.25: MX24.2 137.16,74.49 MX24.2 135.11,68.9 D24.2
Net-(D25-A): length 12.2
  Bottom w0.25: MX25.2 137.16,55.44 MX25.2 135.11,49.85 D25.2
Net-(D26-A): length 12.2
  Bottom w0.25: MX26.2 137.16,36.39 MX26.2 135.11,30.8 D26.2
Net-(D27-A): length 12.2
  Bottom w0.25: MX27.2 156.21,74.49 MX27.2 154.16,68.9 D27.2
Net-(D28-A): length 12.2
  Bottom w0.25: MX28.2 156.21,55.44 MX28.2 154.16,49.85 D28.2
Net-(D29-A): length 12.2
  Bottom w0.25: D29.2 154.16,30.8 MX29.2 156.21,36.39 MX29.2
Net-(D30-A): length 24.9
  Bottom w0.25: MX30.2 156.21,17.34 MX30.2 156.36,21.25 145.53,21.25 D30.2
Net-(D31-A): length 12.2
  Bottom w0.25: D31.2 173.21,68.9 MX31.2 175.26,74.49 MX31.2
Net-(D32-A): length 12.2
  Bottom w0.25: MX32.2 175.26,55.44 MX32.2 173.21,49.85 D32.2
Net-(D33-A): length 12.2
  Bottom w0.25: D33.2 173.21,30.8 MX33.2 175.26,36.39 MX33.2
Net-(D34-A): length 24.9
  Bottom w0.25: MX34.2 175.26,17.34 MX34.2 175.41,21.25 164.58,21.25 D34.2
Net-(D35-A): length 12.2
  Bottom w0.25: D35.2 192.26,68.9 MX35.2 194.31,74.49 MX35.2
Net-(D36-A): length 12.2
  Bottom w0.25: MX36.2 194.31,55.44 MX36.2 192.26,49.85 D36.2
Net-(D37-A): length 12.2
  Bottom w0.25: MX37.2 194.31,36.39 MX37.2 192.26,30.8 D37.2
Net-(D38-A): length 24.9
  Bottom w0.25: D38.2 183.63,21.25 194.46,21.25 MX38.2 194.31,17.34 MX38.2
Net-(R_Flash1-Pad1): length 3
  Bottom w0.2: SW1.2 R_Flash1.1
Net-(U1-USB_DM): length 6.3
  Bottom w0.2: R_DATA2.2 17.65,53.28 U1.46
Net-(U1-USB_DP): length 6.3
  Bottom w0.2: R_DATA1.2 18.05,53.26 U1.47

## Copper pours and planes (outline as drawn; the poured copper is in the pictures)
+1V1 on Bottom: 19.35,47.33 19.35,45.54 17.86,45.54 17.56,45.24 17.56,42.86 17.86,42.56 18.75,42.56 18.75,40.78 16.67,40.78 16.67,47.33
+3V3 on Bottom: 19.65,47.92 22.92,47.92 22.92,40.18 18.75,40.18 18.75,45.84 19.65,45.84
+3V3 on Bottom: 16.37,49.71 16.97,49.71 16.97,40.18 15.18,40.18 15.18,47.92 16.37,47.92
GND on Top: 0,80.96 200.03,80.96 200.03,-0.3 0,-0.6
GND on Bottom: 16.37,49.71 16.37,47.92 15.18,47.92 15.18,40.18 19.65,40.18 19.65,41.08 20.54,41.08 20.54,40.18 22.92,40.18 22.92,47.92 16.97,47.92 16.97,49.71 16.67,49.71 16.67,50.9 16.07,50.9 16.07,48.52 0,48.52 0,80.96 200.03,80.96 200.03,-0.6 0,-0.6 0,48.52 16.07,48.52 16.07,49.71

## Text on the board
B.Silkscreen: BOOT | RST | 3V3 | GND | SWDIO | SWCLK
F.Silkscreen: 1.75u | 2u | 4u
